# Altium PCB PCB1.PcbDoc
Units mil, origin at the board's own origin, x right, y up, seen from the top; angles counter-clockwise.
Board outline 3661.42 x 3307.09 mil, 2 copper layers (Top Layer, Bottom Layer); 49 components, 51 nets, 252 pads, 211 vias.
Unrouted connection lines stored in the file: 57.
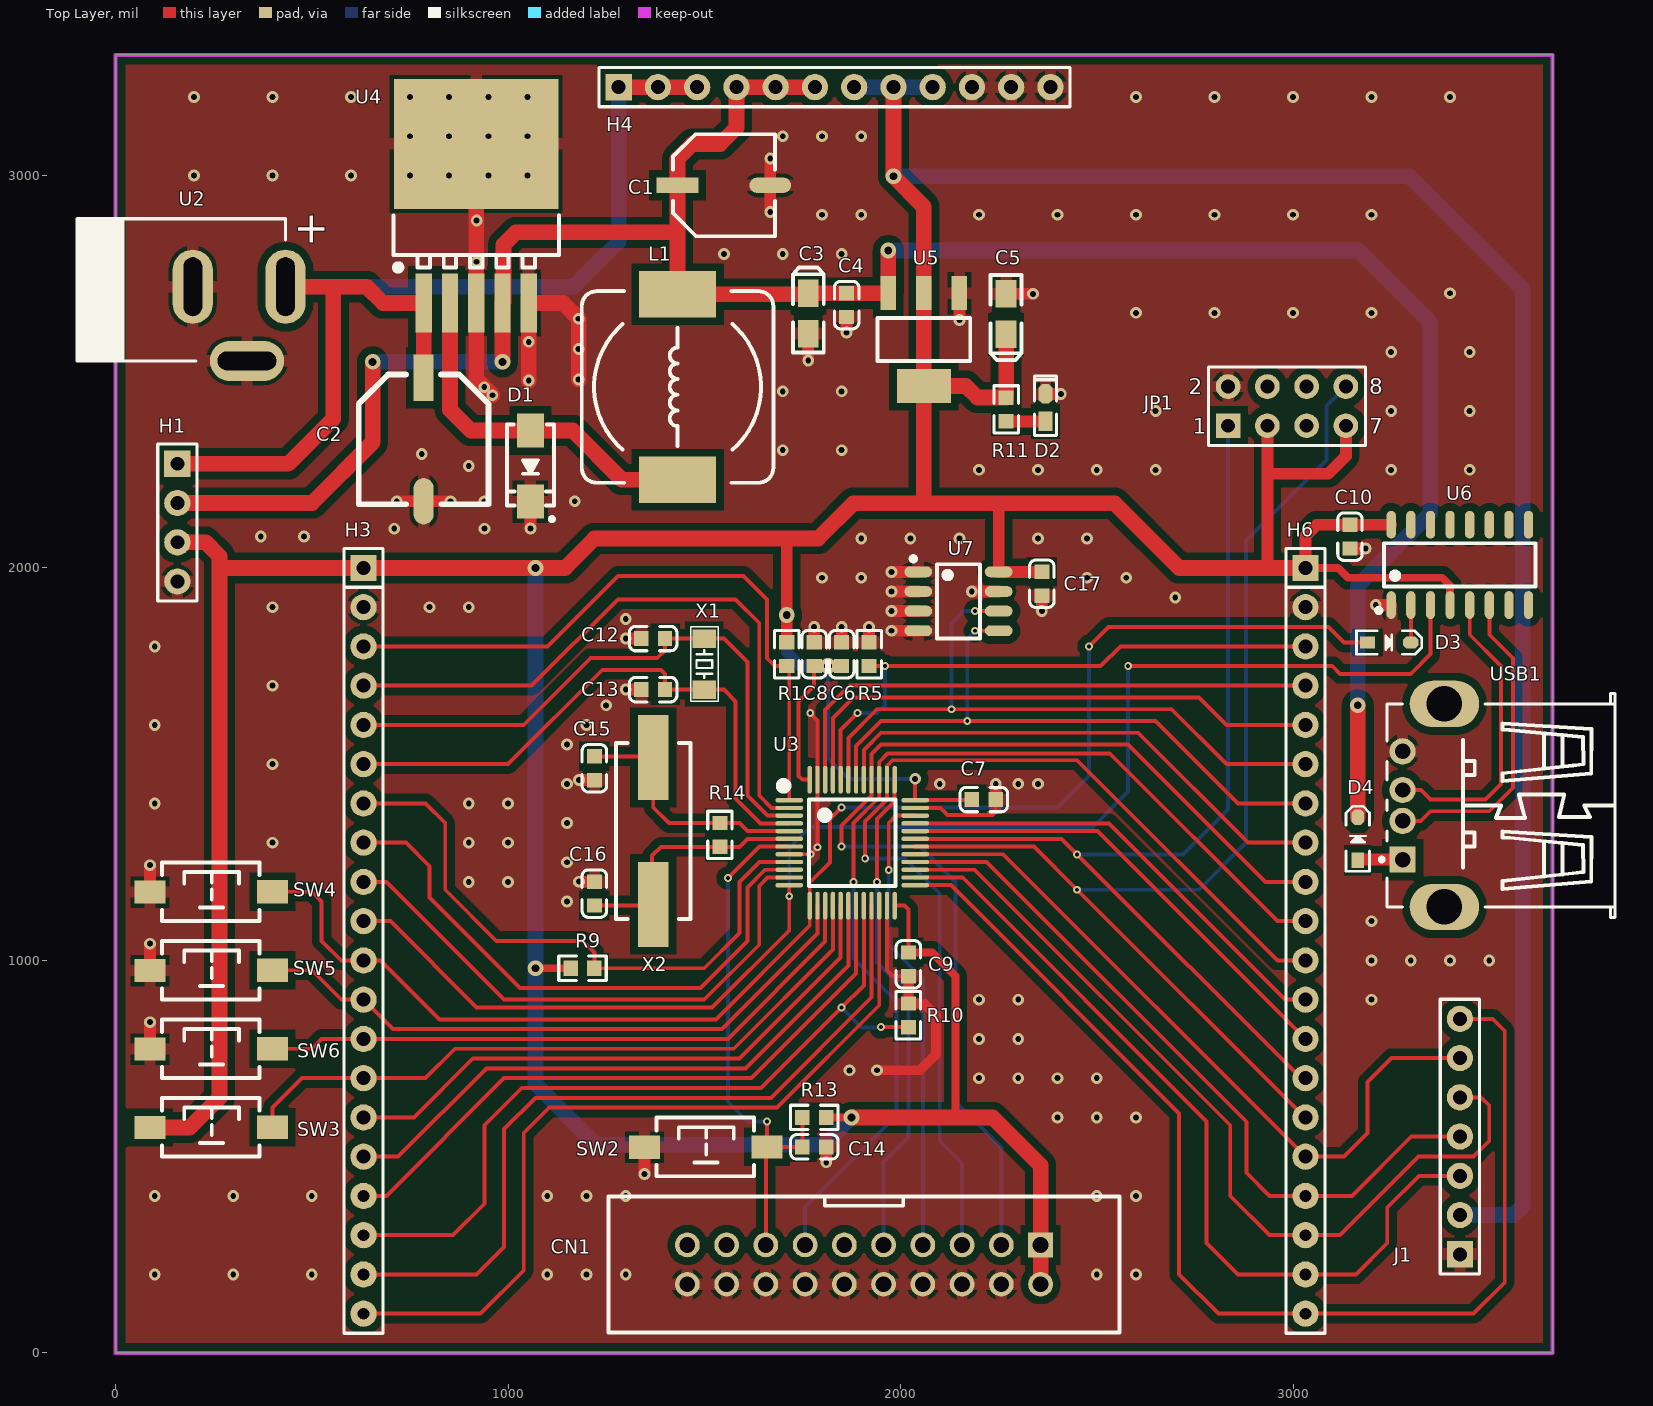
[diagram p0: Top Layer view]
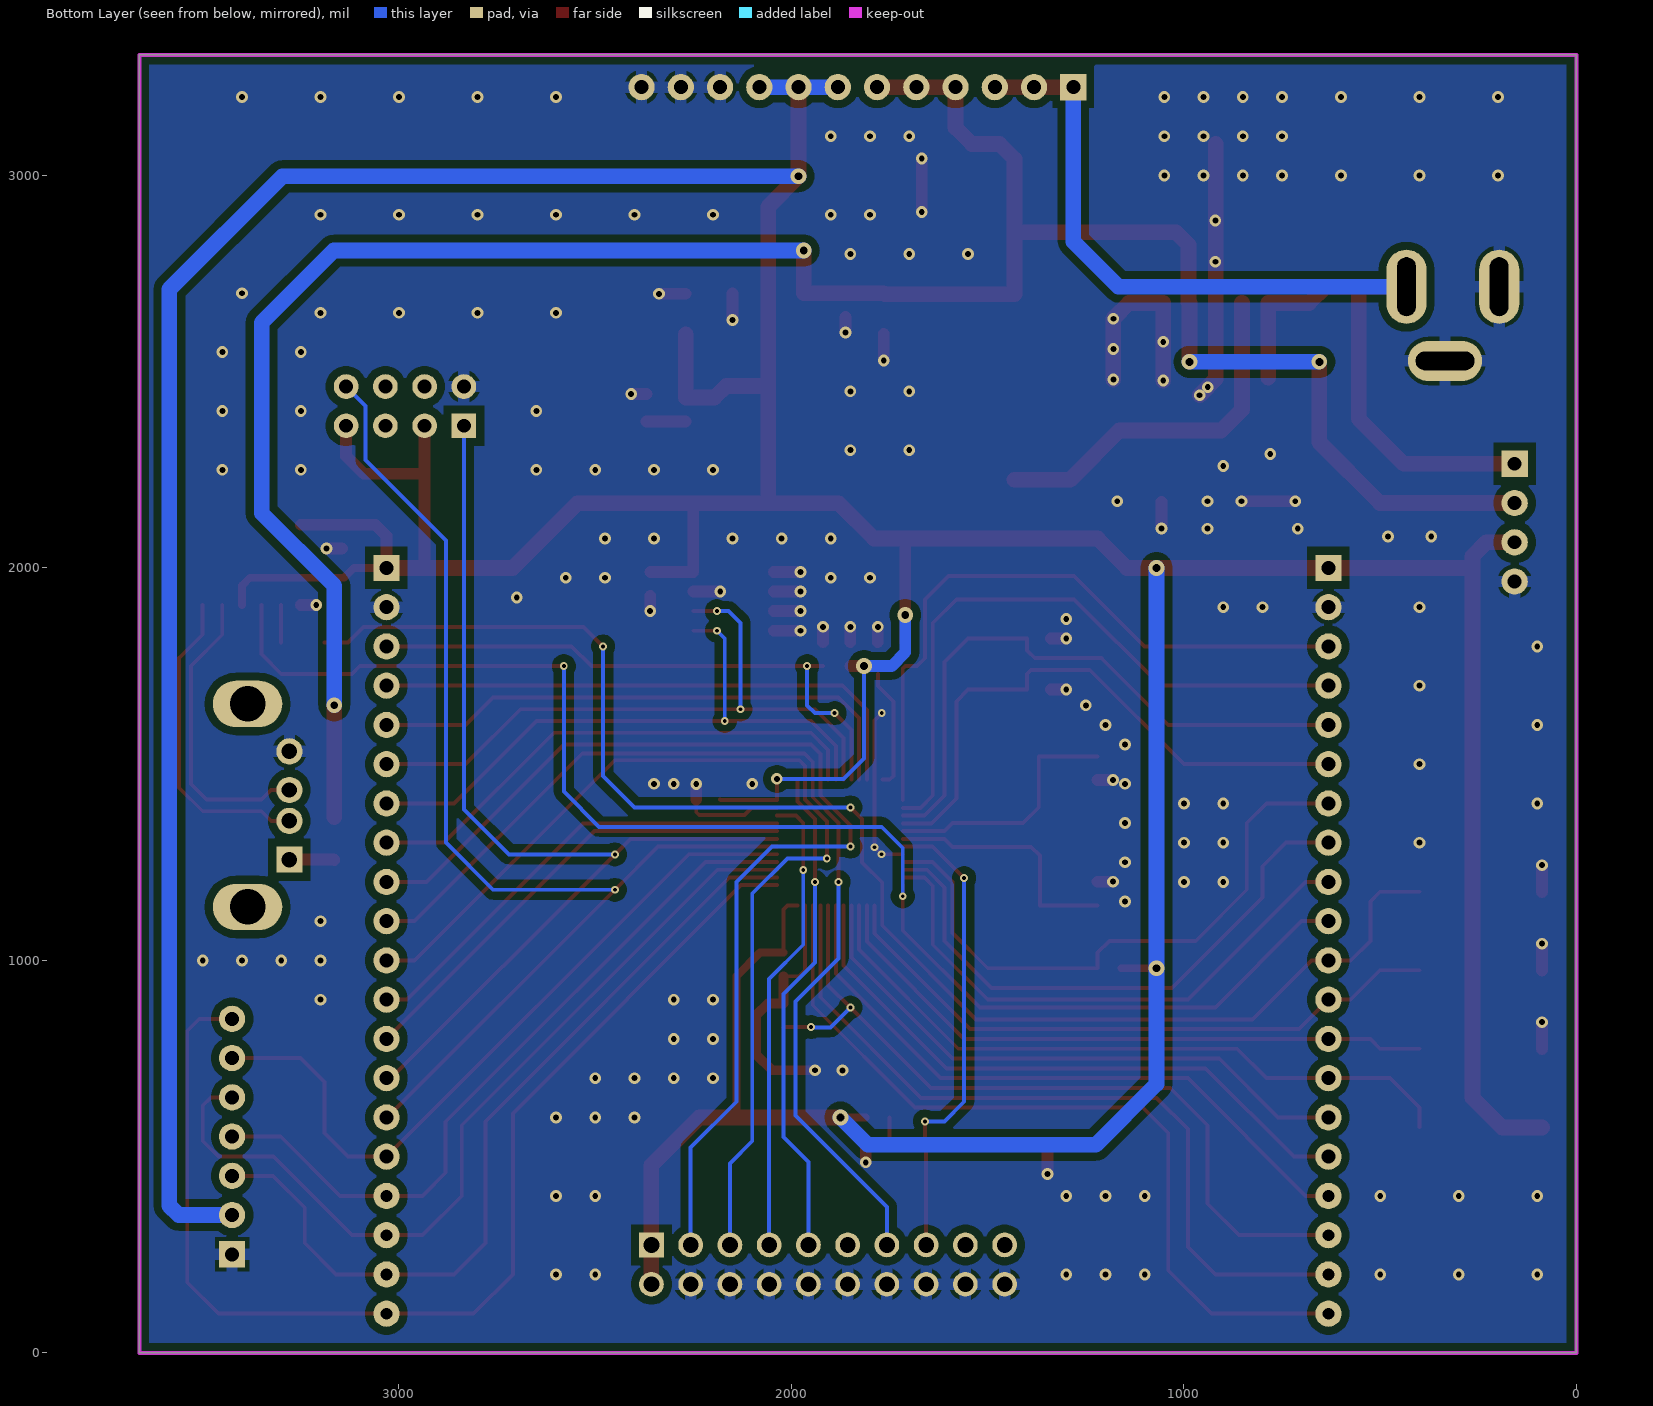
[diagram p1: Bottom Layer view, seen from below]

## Layer stack, top to bottom
Top Solder: solder mask 0.4, Solder Resist, Dk 3.5
Top Layer: signal copper 1.4
Dielectric 1: dielectric 12.6, FR-4, Dk 4.8
Bottom Layer: signal copper 1.4
Bottom Solder: solder mask 0.4, Solder Resist, Dk 3.5

## Board outline
0,0 0,3307.09 3661.42,3307.09 3661.42,0

## Design rules (kind name [scope] priority, off if disabled: settings)
Clearance Clearance_1 [Inpolygon] p1: gap=20 ignorepadtopadclearanceinfootprint=FALSE
Clearance [All] p2: gap=7 ignorepadtopadclearanceinfootprint=FALSE
HoleSize [All] p1: absolutevalues=TRUE maxlimit=1000 minlimit=1 maxpercent=80.000 minpercent=20.000
MinimumSolderMaskSliver [All] p1: minsoldermaskwidth=0
PolygonConnect [All] p1: thpad.connectstyle=Relief thpad.reliefconductorwidth=30 thpad.reliefentries=4 thpad.polygonreliefangle="90 Angle" thpad.airgapwidth=10 smdpad.connectstyle=Relief smdpad.reliefconductorwidth=30 smdpad.reliefentries=4 smdpad.polygonreliefangle="90 Angle" smdpad.airgapwidth=10 via.connectstyle=Direct via.reliefconductorwidth=10 via.reliefentries=4 via.polygonreliefangle="90 Angle" via.airgapwidth=10
RoutingVias [All] p1: holewidth=28 width=50 viastyle="Through Hole" minholewidth=28 minwidth=50 maxholewidth=28 maxwidth=50
SilkToSilkClearance [All] p1: silktosilkclearance=0.1
SilkToSolderMaskClearance [IsPad] p1: minsilkscreentomaskgap=0 clearancetoexposedcopper=TRUE
SolderMaskExpansion [All] p1: expansion=4 istentingtop=FALSE
Width [All] p1: maxlimit=100 minlimit=10 preferedwidth=10 minimp=50.000000 maximp=50.000000 favimp=50.000000
26 further rules are at their usual default settings.

## Components (designator, comment, footprint, x,y, rotation, side; value= is the part's Value field where it differs from the comment)
C1 "NXA25VB1000M 10*20 LO" "CM D8(6.3*7.7)" 1550,2975 r180 top value=1mF
C2 "XT100UF50V90RV0067" "CM F(8*10.2)" 785,2327.52 r90 top value=100uF
C3 "CA45-A-10V-10uF-K" CASE-A_3216 1765,2648.43 r90 top value=10uF
C4 "CAP_0603" 0603_C 1862.6,2669.68 r90 top value=100nF
C5 "CA45-A-10V-10uF-K" CASE-A_3216 2269.09,2646.85 r270 top value=10uF
C6 "CAP_0603" 0603_C 1850,1780.32 r270 top value=100nF
C7 "CAP_0603" 0603_C 2212.2,1410 r180 top value=100nF
C8 "CAP_0603" 0603_C 1780,1780.32 r270 top value=100nF
C9 "CAP_0603" 0603_C 2020,990 r90 top value=100nF
C10 "CAP_0603" 0603_C 3145,2079.68 r270 top value=100nF
C12 "CAP_0603" 0603_C 1369.68,1820 r0 top value=15pF
C13 "CAP_0603" 0603_C 1369.68,1690 r0 top value=15pF
C14 "CAP_0603" 0603_C 1780.32,525 r180 top value=100nF
C15 "CAP_0603" 0603_C 1220,1489.68 r270 top value=22pF
C16 "CAP_0603" 0603_C 1220,1170.32 r90 top value=22pF
C17 "CAP_0603" 0603_C 2360,1959.68 r90 top value=100nF
CN1 "HX30002-20A" DC-2.54-L-Z-20P 1906.89,225 r180 top
D1 "1N5822" SMA(DO-214AC) 1056.89,2259.45 r270 top
D2 "25-21/GHC-YSU/2A" "LED 0603R" 2369.35,2408.42 r90 top
D3 "1N4007" SOD-323 3244.88,1810 r0 top
D4 "1N4007" SOD-323 3165,1310.12 r90 top
H1 "HDR-M_2.54_1x4P" HDR2.54-LI-4P 157.48,2115.35 r270 top
H3 "HDR-M_2.54_1x20P" HDR2.54-LI-20P 631.89,1050 r270 top
H4 "HDR-M_2.54_1x12P" HDR2.54-LI-12P 1831.89,3225 r0 top
H6 "HDR-M_2.54_1x20P" HDR2.54-LI-20P 3031.89,1050 r270 top
J1 "Header 7" HDR2.54-LI-7P 3425.2,551.18 r90 top
JP1 "Header 4X2" HDR2.54-LI-2x4P 2984.65,2412.2 r0 top locked
L1 "CY75-100UH" CDRH127 1431.89,2461.22 r90 top value=100uH
R1 "RK73Z2BTTD" 0603_R 1710,1780.31 r90 top value=0R
R5 "Res_0603" 0603_R 1920,1780.31 r90 top value=10K
R9 "Res_0603" 0603_R 1189.68,980 r0 top value=0R
R10 "Res_0603" 0603_R 2020,860 r270 top value=10K
R11 "Res_0603" 0603_R 2269.09,2403.74 r90 top value=510R
R13 "Res_0603" 0603_R 1780.31,600 r0 top value=10K
R14 "Res_0603" 0603_R 1540,1319.68 r90 top value=1M
SW2 "SW-74-3" "TSW SMD-3*6*2.5" 1505,525 r0 top
SW3 "SW-74-3" "TSW SMD-3*6*2.5" 245,575 r0 top
SW4 "SW-74-3" "TSW SMD-3*6*2.5" 245,1175 r0 top
SW5 "SW-74-3" "TSW SMD-3*6*2.5" 245,975 r0 top
SW6 "SW-74-3" "TSW SMD-3*6*2.5" 245,775 r0 top
U2 "DC-210_DC母座,板上插件3P,2mm,黑壳" DC-005 433.07,2716.54 r0 top
U3 "STM32F103C8T6" "LQFP48 7X7_N" 1876.89,1300 r270 top
U4 "LM2576T-5.0/NOPB" TO-263-5 918.86,2675 r270 top
U5 "AMS1117-3.3_C369933" SOT-223 2059.45,2581.89 r90 top
U6 "CH340G" SOP-16_150mil 3425.2,2007.87 r0 top
U7 "AT24C04M/TR" SOP-8_150mil 2147.64,1915 r270 top
USB1 "USB1" USB-A/S_A 3279.13,1394.88 r0 top
X1 "ABS06-32.768KHZ-T" "OSC 3215-2P" 1500,1754.96 r90 top value=32.768kHz
X2 "X49SS2-8.000-F20JGDT" HC-49SMD 1370,1330 r90 top value=8MHz

## Footprints (in the part's own frame and the unit in brackets; to place one, negate y for a bottom-side part, rotate by r counter-clockwise, add the part's x,y. Pads: shape width x height; smd on the part's side, far side on the other; paste and mask are expansions set on the pad)
0603_C [mm]
  rect 0.93x0.98 smd: 1(-0.77,0) 2(0.77,0)
  silkscreen extent -1.53,-0.79 1.54,0.79, body extent -0.8,-0.4 0.8,0.4, height 0.3
0603_R [mm]
  rect 0.93x0.98 smd: 1(-0.77,0) 2(0.77,0)
  silkscreen extent -1.53,-0.79 1.54,0.79, body extent -0.85,-0.4 0.85,0.4, height 0.56
CASE-A_3216 [mm]
  rect 1.8x1.35 smd: 1(1.31,0) 2(-1.31,0)
  silkscreen extent -2.54,-1 2.97,1, body extent -1.7,-0.84 1.7,0.84, height 1.71
CDRH127 [mm] "12*12*8mm（长宽高）"
  rect 3x5 smd: 1(-6,0) 2(6,0)
  silkscreen extent -6.2,-6.2 6.2,6.2, body extent -6,-6 6,6, height 7.8
"CM D8(6.3*7.7)" [mm] "J 贴片电解电容，直径6.3mm，高7.7mm"
  rect 2.7x1 smd: 1(3,0)
  oval 2.7x1 smd: 2(-3,0)
  silkscreen extent -3.3,-3.3 3.3,3.3, body extent -3.5,-3.3 3.5,3.3, height 7.7
"CM F(8*10.2)" [mm] "J 贴片电解电容，直径8mm，高10.2mm"
  rect 3x1.3 smd: 1(4,0)
  oval 3x1.3 smd: 2(-4,0)
  silkscreen extent -4.2,-4.2 4.2,4.2, body extent -4.5,-4.15 4.5,4.15, height 10.2
DC-2.54-L-Z-20P [mm] "立式直插简牛插座，间距2.54"
  rect 1.6x1.6 hole 1.02: 1(-11.43,-1.27)
  round 1.6 hole 1.02: 2(-11.43,1.27) 3(-8.89,-1.27) 4(-8.89,1.27) 5(-6.35,-1.27) 6(-6.35,1.27) 7(-3.81,-1.27) 8(-3.81,1.27) 9(-1.27,-1.27) 10(-1.27,1.27) 11(1.27,-1.27) 12(1.27,1.27) 13(3.81,-1.27) 14(3.81,1.27) 15(6.35,-1.27) 16(6.35,1.27) 17(8.89,-1.27) 18(8.89,1.27) 19(11.43,-1.27) 20(11.43,1.27)
  silkscreen extent -16.53,-4.4 16.53,4.4, body extent -16.53,-4.4 16.52,4.7, height 8.8
DC-005 [mm] "J DC-005电源插座 封装规格:14.2X8.8mm"
  oval 2.6x4.8 hole 1.2 slot 3.8 at 90 deg: 1(0,0) 2(-6,0)
  oval 4.8x2.6 hole 1.2 slot 3.8 at 0 deg: 3(-2.5,-4.8)
  silkscreen extent -13.5,-4.8 0,4.4, body extent -13.5,-4.8 0.55,4.5, height 11.2
HC-49SMD [mm] "J JLC"
  rect 5.5x2 smd: 1(-4.75,0) 2(4.75,0)
  silkscreen extent -5.7,-2.4 5.7,2.4, body extent -6.7,-2.46 6.7,2.44, height 4
HDR2.54-LI-2x4P [mm] "双排排针，4x2脚"
  rect 1.6x1.6 hole 0.9: 1(-3.81,-1.27)
  round 1.6 hole 0.9: 2(-3.81,1.27) 3(-1.27,-1.27) 4(-1.27,1.27) 5(1.27,-1.27) 6(1.27,1.27) 7(3.81,-1.27) 8(3.81,1.27)
  silkscreen extent -5.08,-2.54 5.08,2.54, body extent -5.08,-2.54 5.08,2.54, height 8.5
HDR2.54-LI-4P [mm] "排针，4脚"
  rect 1.7x1.7 hole 0.9: 1(-3.81,0)
  round 1.7 hole 0.9: 2(-1.27,0) 3(1.27,0) 4(3.81,0)
  silkscreen extent -5.08,-1.27 5.08,1.27, body extent -5.08,-1.27 5.08,1.27, height 8.5
HDR2.54-LI-7P [mm] "排针，8脚"
  rect 1.7x1.7 hole 0.9: 1(-7.62,0)
  round 1.7 hole 0.9: 2(-5.08,0) 3(-2.54,0) 4(0,0) 5(2.54,0) 6(5.08,0) 7(7.62,0)
  silkscreen extent -8.89,-1.27 8.89,1.27, body extent -8.89,-1.27 8.89,1.27, height 8.5
HDR2.54-LI-12P [mm] "排针，13脚"
  rect 1.7x1.7 hole 0.9: 1(-13.97,0)
  round 1.7 hole 0.9: 2(-11.43,0) 3(-8.89,0) 4(-6.35,0) 5(-3.81,0) 6(-1.27,0) 7(1.27,0) 8(3.81,0) 9(6.35,0) 10(8.89,0) 11(11.43,0) 12(13.97,0)
  silkscreen extent -15.24,-1.27 15.24,1.27, body extent -15.24,-1.27 15.24,1.27, height 8.5
HDR2.54-LI-20P [mm] "排针，20脚"
  rect 1.7x1.7 hole 0.9: 1(-24.13,0)
  round 1.7 hole 0.9: 2(-21.59,0) 3(-19.05,0) 4(-16.51,0) 5(-13.97,0) 6(-11.43,0) 7(-8.89,0) 8(-6.35,0) 9(-3.81,0) 10(-1.27,0) 11(1.27,0) 12(3.81,0) 13(6.35,0) 14(8.89,0) 15(11.43,0) 16(13.97,0)
  round 1.7 hole 0.762: 17(16.51,0) 18(19.05,0) 19(21.59,0) 20(24.13,0)
  silkscreen extent -25.4,-1.27 25.4,1.27, body extent -25.4,-1.27 25.4,1.27, height 8.5
"LED 0603R" [mil] "红色0603LED"
  rect 50x35 smd: 1(-35,0.26)
  oct 50x35 smd: 2(35,0.26)
  silkscreen extent -71,-28 81,28, body extent -31,-16 31,16, height 18
"LQFP48 7X7_N" [mm] "48脚，体宽7x7mm，脚距0.5mm"
  oval 0.279x1.8 smd: 1(-2.75,-4.075) 2(-2.25,-4.075) 3(-1.75,-4.075) 4(-1.25,-4.075) 5(-0.75,-4.075) 6(-0.25,-4.075) 7(0.25,-4.075) 8(0.75,-4.075) 9(1.25,-4.075) 10(1.75,-4.075) 11(2.25,-4.075) 12(2.75,-4.075) 25(2.75,4.075) 26(2.25,4.075) 27(1.75,4.075) 28(1.25,4.075) 29(0.75,4.075) 30(0.25,4.075) 31(-0.25,4.075) 32(-0.75,4.075) 33(-1.25,4.075) 34(-1.75,4.075) 35(-2.25,4.075) 36(-2.75,4.075)
  oval 1.8x0.279 smd: 13(4.075,-2.75) 14(4.075,-2.25) 15(4.075,-1.75) 16(4.075,-1.25) 17(4.075,-0.75) 18(4.075,-0.25) 19(4.075,0.25) 20(4.075,0.75) 21(4.075,1.25) 22(4.075,1.75) 23(4.075,2.25) 24(4.075,2.75) 37(-4.075,2.75) 38(-4.075,2.25) 39(-4.075,1.75) 40(-4.075,1.25) 41(-4.075,0.75) 42(-4.075,0.25) 43(-4.075,-0.25) 44(-4.075,-0.75) 45(-4.075,-1.25) 46(-4.075,-1.75) 47(-4.075,-2.25) 48(-4.075,-2.75)
  silkscreen extent -3.93,-4.69 2.79,2.79, body extent -4.5,-4.5 4.5,4.5, height 1.45
"OSC 3215-2P" [mm] "3.2*1.5*0.6mm(长宽高)"
  rect 1.2x1.5 smd: 1(-1.65,0) 2(1.65,0)
  silkscreen extent -2.41,-0.89 2.41,0.89, body extent -1.6,-0.75 1.6,0.75, height 0.61
SMA(DO-214AC) [mm] "4.5x2.6*2.2mm（长宽高，不包括引脚）"
  rect 2.2x1.75 smd: 1(-2.3,0) 2(2.3,0)
  silkscreen extent -2.7,-1.52 3.56,1.52, body extent -2.53,-1.3 2.58,1.3, height 2.15
SOD-323 [mm] "1.8x1.3X0.9mm（长宽高，不包括引脚）"
  rect 1x0.8 smd: 1(-1.4,0)
  oct 1x0.8 smd: 2(1.4,0)
  silkscreen extent -2.11,-0.76 2.11,0.76, body extent -1.34,-0.63 1.31,0.67, height 1
SOP-8_150mil [mm]
  oval 0.7x1.8 smd: 1(-1.905,-2.6) 2(-0.635,-2.6) 3(0.635,-2.6) 4(1.905,-2.6) 5(1.905,2.6) 6(0.635,2.6) 7(-0.635,2.6) 8(-1.905,2.6)
  silkscreen extent -2.9,-3.07 2.4,1.4, body extent -2.5,-3 2.5,3, height 1.9
SOP-16_150mil [mm]
  oval 0.6x1.8 smd: 1(-4.445,-2.6) 2(-3.175,-2.6) 3(-1.905,-2.6) 4(-0.635,-2.6) 5(0.635,-2.6) 6(1.905,-2.6) 7(3.175,-2.6) 8(4.445,-2.6) 9(4.445,2.6) 10(3.175,2.6) 11(1.905,2.6) 12(0.635,2.6) 13(-0.635,2.6) 14(-1.905,2.6) 15(-3.175,2.6) 16(-4.445,2.6)
  silkscreen extent -5.4,-3.1 4.9,1.4, body extent -5,-3 5,3, height 1.9
SOT-223 [mm]
  rect 2.2x1 smd: 1(3,-2.3) 2(3,0) 3(3,2.3)
  rect 2.2x3.5 smd: 4(-3,0)
  silkscreen extent -1.4,-3 1.4,3, body extent -3.51,-3.25 3.51,3.25, height 1.65
TO-263-5 [mm]
  rect 3.8x1.05 smd: 1(0,-3.4) 2(0,-1.7) 3(0,0) 4(0,1.7) 5(0,3.4)
  rect 8.4x10.65 smd: 3(-10.3,0)
  silkscreen extent -5.65,-5.35 -2.1,5.35
"TSW SMD-3*6*2.5" [mm] "3*6*2.5mm"
  rect 2x1.5 smd: 1(-3.996,-0.02) 2(3.937,0)
  silkscreen extent -3.21,-1.9 3.09,1.9, body extent -4,-1.75 4,1.75, height 2.59
USB-A/S_A [mm] "J  A型直插母头 Type-A 母座"
  rect 1.7x1.7 hole 1: 1(0,-3.5)
  round 1.7 hole 1: 2(0,-1) 3(0,1) 4(0,3.5)
  oval 4.5x3 hole 2.3: 5(2.71,-6.57) 6(2.71,6.57)
  silkscreen extent -1.47,-7.25 13.75,7.25, body extent -0.6,-7.34 13.7,7.34, height 6.8

## Part data
C1: "容值:1mF;精度:±20%;额定电压:25V;电容体直径:10mm;电容体长度:20mm;脚间距:5mm;工作寿命:7000hrs@105;", JLCPCB Part Class=扩展库, LCSC Part Name="1mF ±20% 25V", Lifetime @ Temp=7000hrs@105, Manufacturer=SAMYOUNG(韩国三莹), Rated Voltage=25V, Tolerance=±20%, Add into BOM=yes, Convert to PCB=yes, Datasheet=https://atta.szlcsc.com/upload/public/pdf/source/20180207/C150381_15179948733761359072.pdf, Device="NXA25VB1000M 10*20 LO", L=20mm, Lead Spacing=5mm, Manufacturer Part="NXA25VB1000M 10*20 LO", Name=1mF, Supplier=LCSC, Supplier Footprint=径向引线,10x20mm, Supplier Part=C150381, Symbol=NXA25V1000UF10*20, φD=10mm
C2: "容值:100uF;额定电压:50V;电容体直径:-;电容体长度:-;纹波电流:-;等效串联电阻:-;工作寿命:-;", Equivalent Series Resistance(ESR)=-, JLCPCB Part Class=扩展库, LCSC Part Name="100uF 50V", Manufacturer=KNSCHA(科尼盛), Rated Voltage=50V, Add into BOM=yes, Convert to PCB=yes, Datasheet=https://atta.szlcsc.com/upload/public/pdf/source/20220628/DB8CB200A5425945B2B1ADF515822AD1.pdf, Device=XT100UF50V90RV0067, L=-, Lifetime @ Temp=-, Manufacturer Part=XT100UF50V90RV0067, Name=100uF, Ripple Current=-, Supplier=LCSC, Supplier Footprint=SMD,8x10.5mm, Supplier Part=C2992599, Symbol=XT100UF50V90RV0067, φD=-
C3 C5: "额定电压:10V;等效串联电阻:8Ω 100kHz;工作温度:-55~+125;容值:10uF;精度:±10%;", Equivalent Series Resistance(ESR)="8Ω 100kHz", JLCPCB Part Class=扩展库, LCSC Part Name="10uF(106) ±10% 10V", Manufacturer=CEC(振华新云), Operating Temperature=-55~+125, Rated Voltage=10V, Tolerance=±10%, Add into BOM=yes, Convert to PCB=yes, Datasheet=https://atta.szlcsc.com/upload/public/pdf/source/20170914/C128253_1505359751786967904.pdf, Device=CA45-A-10V-10uF-K, Manufacturer Part=CA45-A-10V-10uF-K, Name=10uF, Supplier=LCSC, Supplier Footprint=CASE-A_3216, Supplier Part=C128253, Symbol=CA45-A-10V-10UF-K
CN1: "参考系列:-;间距:3mm;插针结构:2x10P;排数:2;每排PIN数:10;行距:3mm;安装方式:-;触头材质:黄铜;", JLCPCB Part Class=扩展库, LCSC Part Name=小5569-20A, Manufacturer=HX(红星), Add into BOM=yes, Contact Material=黄铜, Convert to PCB=yes, Datasheet=https://atta.szlcsc.com/upload/public/pdf/source/20180316/2650DEF6C4F462ECBA0CD08C5E43C847.pdf, Device=HX30002-20A, Manufacturer Part=HX30002-20A, Mounting Style=-, Name=HX30002-20A, NO_CONNECT=yes, NUMBER=20, Number of PINs Per Row=10, Number of Rows=2, Pins Structure=2x10P, Pitch=3mm, Reference Series=-, Row Spacing=3mm, Supplier=LCSC, Supplier Footprint=插件,P=3mm, Supplier Part=C185097, Symbol=30002-20A-T1P
D1: "直流反向耐压(Vr):40V;平均整流电流(Io):3A;正向压降(Vf):525mV@3A;", Average Rectified Current (Io)=3A, Forward Voltage (Vf@If)=525mV@3A, JLCPCB Part Class=扩展库, LCSC Part Name="40V 3A 525mV@3A", Manufacturer=星海, Reverse Voltage (Vr)=40V, Add into BOM=yes, Convert to PCB=yes, Datasheet=https://atta.szlcsc.com/upload/public/pdf/source/20161024/1477288663229.pdf, Device=1N5822, Manufacturer Part=1N5822, Name=1N5822, Supplier=LCSC, Supplier Footprint=DO-201AD, Supplier Part=C84619, Symbol=1N5822_C84619
D2: JLCPCB Part Class=扩展库, LCSC Part Name=LED, Manufacturer=EVERLIGHT(亿光), Add into BOM=yes, Convert to PCB=yes, Datasheet=https://atta.szlcsc.com/upload/public/pdf/source/20220713/F252FF7039D6458B569E79FE2BD3F03F.pdf, Device=25-21/GHC-YSU/2A, Manufacturer Part=25-21/GHC-YSU/2A, Name=LED0, Supplier=LCSC, Supplier Footprint=SMD-2,1.6x3.2mm, Supplier Part=C4749157, Symbol=25-21/GHC-YSU/2A
D3 D4: "二极管配置:-;直流反向耐压(Vr):1kV;平均整流电流(Io):1A;正向压降(Vf):1.1V@1A;反向电流(Ir):5A@1kV;", JLCPCB Part Class="Extended Part", Add into BOM=yes, Convert to PCB=yes, Device=1N4007, Supplier Footprint=DO-41, Supplier Part=C106903, Symbol=D_1N4007
H3 H6: "间距:2.54mm;总PIN位数:20;排数:1;插针结构:-;行距:-;安装类型:直插;圆针/方针:-;额定电流:-;额定电压:-;配合针长度:-;塑高:-;触头材质:黄铜;触头镀层:-;颜色:黑色;", Add into BOM=yes, Convert to PCB=yes, Device=HDR-M_2.54_1x20P, Supplier Footprint=插件, Supplier Part=C50981, Symbol=HDR_2.54-1x20P
  H6: NUMBER=3
H4: "间距:2.54mm;总PIN位数:12;排数:1;插针结构:1x12P;行距:-;安装类型:直插;圆针/方针:方针;额定电流:3A;额定电压:250V;配合针长度:6mm;塑高:2.5mm;端接针长度:3mm;触头材质:-;工作温度范围:-40~+105;颜色:黑色;", Add into BOM=yes, Convert to PCB=yes, Device=HDR-M_2.54_1x12P, Supplier Footprint=插件, Supplier Part=C2840012, Symbol=HDR_2.54-1x12P
J1: "J  Header, 7-Pin", LatestRevisionDate=17-Jul-2002, LatestRevisionNote="Re-released for DXP Platform.", Publisher="Altium Limited"
JP1: "J  Header, 4-Pin, Dual row", LatestRevisionDate=17-Jul-2002, LatestRevisionNote="Re-released for DXP Platform.", Publisher="Altium Limited"
L1: "电感值:100uH;精度:±10%;额定电流:730mA;饱和电流(Isat):-;直流电阻(DCR):325mΩ;", DC Resistance (DCR)=325mΩ, Frequency - Self Resonant=-, JLCPCB Part Class=扩展库, LCSC Part Name="100uH ±10% 730mA 325mΩ", Manufacturer="SHOU HAN(首韩)", Rated Current=730mA, Tolerance=±10%, Add into BOM=yes, Convert to PCB=yes, Datasheet=https://atta.szlcsc.com/upload/public/pdf/source/20211213/9462A2F321BE8943DF3982CE0F9F6E2B.pdf, Device=CY75-100UH, Manufacturer Part=CY75-100UH, Name=100uH, Q @ Freq=-, Ratings=-, Saturation Current (Isat)=-, Supplier=LCSC, Supplier Footprint=SMD,7.8x7x5mm, Supplier Part=C2929443, Symbol=CY75-100UH
R1: "阻值:0Ω;精度:-;功率:-;工作温度范围:-55~+155;", JLCPCB Part Class=扩展库, LCSC Part Name="0Ω 0", Manufacturer=KOA, Operating Temperature Range=-55~+155, Power(Watts)=-, Add into BOM=yes, Convert to PCB=yes, Datasheet=https://atta.szlcsc.com/upload/public/pdf/source/20170918/C131706_1505727048923976489.pdf, Device=RK73Z2BTTD, Manufacturer Part=RK73Z2BTTD, Name=0R, Supplier=LCSC, Supplier Footprint=1206, Supplier Part=C131706, Symbol=RK73Z2BTTD, Tolerance=-
SW2 SW3 SW4 SW5 SW6: "类型:检测开关;额定电流(DC):1mA;额定电压(DC):5V;额定电流(AC):1mA;额定电压(AC):100V;机械寿命:20000;按钮形状:圆形柱塞;引脚样式:PC引脚;开关长度:7mm;开关宽度:4.4mm;开关高度:7.2mm;", Contact Current (AC)=1mA, JLCPCB Part Class=扩展库, Manufacturer=Shinmei(日本神明), Voltage Rating (AC)=100V, Voltage Rating (DC)=5V, Actuator Style=圆形柱塞, Add into BOM=yes, Contact Current (DC)=1mA, Convert to PCB=yes, Datasheet=https://atta.szlcsc.com/upload/public/pdf/source/20190506/C388893_3452A3DB9C6C6AE4480AE332CD6BDAAB.pdf, Device=SW-74-3, LCSC Part Name=SW-74-3, Manufacturer Part=SW-74-3, Mechanical Life=20000, Name=SW-74-3, Pin Style=PC引脚, Supplier=LCSC, Supplier Footprint=插件, Supplier Part=C388893, Switch Height=7.2mm, Switch Length=7mm, Switch Width=4.4mm, Symbol=SW-74-3, Type=检测开关
U2: JLCPCB Part Class=扩展库, Add into BOM=yes, Convert to PCB=yes, Datasheet=https://atta.szlcsc.comnull, Device=DC-210_DC母座,板上插件3P,2mm,黑壳, LCSC Part Name=DC-210_DC母座,板上插件3P,2mm,黑壳, Manufacturer Part=DC-210_DC母座,板上插件3P,2mm,黑壳, Name=DC-210_DC母座,板上插件3P,2mm,黑壳, Supplier=LCSC, Supplier Footprint=DC-210_2.0mm, Supplier Part=C9900012165, Symbol=DC-210_DC母座,板上插件3P,2MM,黑壳
U3: "CPU内核:ARM Cortex-M3;CPU最大主频:72MHz;工作电压范围:2V~3.6V;内部振荡器:有;程序 FLASH容量:64K@x8bit;RAM总容量:20KB;EEPROM/数据 FLASH容量:-;GPIO端口数量:37;ADC(单元数/通道数/位数):1@x10ch/12bit;外设/功能/协议栈:温度传感器；DMA；看门狗；POR；PWM;工作温度范围:-40~+85;", JLCPCB Part Class=基础库, LCSC Part Name="ARM Cortex-M3 72MHz 64K@x8bit 20KB MSL=3", Manufacturer=ST(意法半导体), Maximum Frequency=72MHz, Operating Temperature Range=-40~+85, Supply Voltage Range=2V~3.6V, ADC (Units/Channels/bits)=1@x10ch/12bit, Add into BOM=yes, Convert to PCB=yes, CPU Core="ARM Cortex-M3", Datasheet=https://atta.szlcsc.com/upload/public/pdf/source/20140724/1457707174202.pdf, Device=STM32F103C8T6, EEPROM/Data FLASH Size=-, GPIO Ports Number=37, Internal Oscillator=有, Manufacturer Part=STM32F103C8T6, Name=STM32F103C8T6, Peripherals / Functions / Protocol Stacks=温度传感器；DMA；看门狗；POR；PWM, Program FLASH Size=64K@x8bit, RAM Size=20KB, Supplier=LCSC, Supplier Footprint=LQFP-48_7x7x05P, Supplier Part=C8734, Symbol=STM32F103C8T6
U4: "功能类型:降压型;同步整流:-;输出通道数:-;拓扑结构:-;输入电压:-;输出电流(最大值):-;开关频率:-;", Input Voltage=-, LCSC Part Name=降压型, Manufacturer=TI(德州仪器), Add into BOM=yes, Convert to PCB=yes, Datasheet=https://atta.szlcsc.com/upload/public/pdf/source/20130814/1457706636795.pdf, Device=LM2576T-5.0/NOPB, Function=降压型, Manufacturer Part=LM2576T-5.0/NOPB, Name=LM2576T-5.0, Number of Outputs=-, Output Current (Max)=-, Supplier=LCSC, Supplier Footprint=TO-220-5, Supplier Part=C16254, Switching Frequency=-, Symbol=LM2576T-5.0_C16254, Synchronous Rectification=-, Topology=-
U5: "输出类型:固定;输出极性:正;输出通道数:1;最大输入电压:18V;输出电压:3.3V;压差:1.3V@800mA;静态电流(地电流):8mA;输出电流:1A;电源纹波抑制比(PSRR):-;噪声:-;特性:-;工作温度:-;", Dropout Voltage=1.3V@800mA, JLCPCB Part Class=扩展库, LCSC Part Name="Vin=18V Vout=3.3V 1A", Manufacturer=KEXIN(科信), Manufacturer Part=AMS1117-3.3, Maximum Input Voltage=18V, Operating Temperature=-, Output Current=1A, Output Voltage=3.3V, Quiescent Current (Ground Current)=8mA, Add into BOM=yes, Convert to PCB=yes, Datasheet=https://atta.szlcsc.com/upload/public/pdf/source/20190724/C369933_94137CB0CFA8D6ABD8E5DA714A2C2C4B.pdf, Device=AMS1117-3.3_C369933, Feature=-, Name=AMS1117-3.3, NO_CONNECT=yes, Noise=-, Number of Outputs=1, Output Polarity=正, Output Type=固定, Power Supply Rejection Ratio (PSRR)=-, Supplier=LCSC, Supplier Footprint=SOT-223, Supplier Part=C369933, Symbol=AMS1117-3.3_C369933
U6: "类型:Transceiver;协议类别:USB 2.0;驱动器/接收器数:-;数据速率:2Mbps;", JLCPCB Part Class=扩展库, Manufacturer=WCH(南京沁恒), Supply Voltage="3.3V, 5V", Add into BOM=yes, Convert to PCB=yes, Data Rate=2Mbps, Datasheet=https://atta.szlcsc.com/upload/public/pdf/source/20200819/C14267_9F0B4B8160AEBA86F3219E64956E4601.pdf, Device=CH340G, LCSC Part Name=CH340G, Manufacturer Part=CH340G, Name=CH340G, NO_CONNECT=yes, Number of Drivers/Receivers=-, Protocol="USB 2.0", Supplier=LCSC, Supplier Footprint=SOP-16_150mil, Supplier Part=C14267, Symbol=CH340G, Type=Transceiver
U7: "存储器类型:-;存储器容量:-;存储器接口类型:-;工作电压:-;", JLCPCB Part Class=扩展库, LCSC Part Name=EEPROM存储器, Manufacturer=HGSEMI(华冠), Voltage - Supply=-, Add into BOM=yes, Convert to PCB=yes, Datasheet=https://atta.szlcsc.com/upload/public/pdf/source/20210719/C565361_F396BA4F8936B5234E7942D8C3C128A6.pdf, Device=AT24C04M/TR, Manufacturer Part=AT24C04M/TR, Memory Format=-, Memory Interface=-, Memory Size=-, Memory Type=-, Name=AT24C04M/TR, Supplier=LCSC, Supplier Footprint=SOP-8, Supplier Part=C2688456, Symbol=AT24C04M/TR
USB1: "J  USB接口"
X1: "晶振类型:-;频率:32.768kHz;频率公差:±20ppm;频率稳定度:-;负载电容:12.5pF;等效串联电阻(ESR):90kΩ;工作温度:-40~+85;", Equivalent Series Resistance (ESR)=90kΩ, Frequency Stability=-, Frequency Tolerance=±20ppm, JLCPCB Part Class=扩展库, LCSC Part Name="32.768kHz ±20ppm 12.5pF", Load Capacitance=12.5pF, Manufacturer=ABRACON, Operating Temperature=-40~+85, Add into BOM=yes, Convert to PCB=yes, Crystal Type=-, Datasheet=https://atta.szlcsc.com/upload/public/pdf/source/20180906/C276423_617CC087DECB982B4D7E659BEEA3B1E4.pdf, Device=ABS06-32.768KHZ-T, Manufacturer Part=ABS06-32.768KHZ-T, Name=32.768kHz, Supplier=LCSC, Supplier Footprint=SMD2012-2P, Supplier Part=C276423, Symbol=ABS06-32.768KHZ-T
X2: "晶振类型:49SMD;频率:8MHz;频率公差:±30ppm;频率稳定度:±50ppm;负载电容:20pF;等效串联电阻(ESR):-;工作温度:-40~+85;", Equivalent Series Resistance (ESR)=-, Frequency Stability=±50ppm, Frequency Tolerance=±30ppm, LCSC Part Name="8MHz ±30ppm 20pF", Load Capacitance=20pF, Manufacturer=HCI(杭晶), Operating Temperature=-40~+85, Add into BOM=yes, Convert to PCB=yes, Crystal Type=49SMD, Datasheet=https://atta.szlcsc.com/upload/public/pdf/source/20220525/41AB7615A6CBF59B0A628FE584B63957.pdf, Device=X49SS2-8.000-F20JGDT, Manufacturer Part=X49SS2-8.000-F20JGDT, Name=8MHz, Supplier=LCSC, Supplier Footprint=HC-49SMD, Supplier Part=C2842263, Symbol=X49SS2-8.000-F20JGDT
C4 C6 C7 C8 C9 C10 C14 C17: Add into BOM=yes, Convert to PCB=yes, Device=CAP_0603, Name=100nF, Supplier Footprint=0603, Symbol=C1210X7R475K630NT
C12 C13: Add into BOM=yes, Convert to PCB=yes, Device=CAP_0603, Name=15pF, Supplier Footprint=0603, Symbol=C1210X7R475K630NT
C15 C16: Add into BOM=yes, Convert to PCB=yes, Device=CAP_0603, Name=22pF, Supplier Footprint=0603, Symbol=C1210X7R475K630NT
H1: Add into BOM=yes, Convert to PCB=yes, Device=HDR-M_2.54_1x4P, Supplier Footprint=插件, Supplier Part=C492403, Symbol=PZ254V-11-04P
R5 R10 R13: Add into BOM=yes, Convert to PCB=yes, Device=Res_0603, Name=10K, Supplier Footprint=0603, Symbol=电阻
R9: Add into BOM=yes, Convert to PCB=yes, Device=Res_0603, Name=0R, Supplier Footprint=0603, Symbol=电阻
R11: Add into BOM=yes, Convert to PCB=yes, Device=Res_0603, Name=510R, Supplier Footprint=0603, Symbol=电阻
R14: Add into BOM=yes, Convert to PCB=yes, Device=Res_0603, Name=1M, Supplier Footprint=0603, Symbol=电阻

## Via types
v1: diameter 30, hole 15, Top Layer to Bottom Layer, tented both sides, 177 vias
v2: diameter 20, hole 10, Top Layer to Bottom Layer, tented both sides, 24 vias
v3: diameter 40, hole 20, Top Layer to Bottom Layer, tented both sides, 10 vias

## Nets (pads, with @x,y where several pads share a name; then routed paths per layer and width w, separated by ;. In a path a pad name is that pad's centre, name@x,y a point inside that pad or via, vN(x,y) a via of type N, cw(c..) or ccw(c..) an arc to the next point about the centre after c; other vN are vias at no path point)
3V3: C5.1 C6.2 C7.2 C8.2 C9.2 C10.1 C17.2 CN1.1 CN1.2 H1.3 H3.1 H4.7 H4.8 H4.9 H6.1 J1.2 JP1.3 JP1.7 R1.2 R9.1 R11.2 R13.2 SW3.1 U3.24 U3.36 U3.48 U5.2 U5.4 U6.4 U6.16 U7.8 | length 17600.8
  Top Layer w10: U3.48 1749.55,1460.45 1740,1470 1740,1659.68 1780,1699.68 1780,1729.37 ; U3.24 2010.45,1139.55 2020,1130 C9.2 C9.2@2020,1020 ; v1(2037.34,1462.66) U3.36 2180.16,1408.27 C7.2
  Top Layer w20: v3(1070,980) R9.1 ; R13.2 v3(1875,600) ; C9.2@2020,1020 2080,1020 2140,960 2140,600 ; H6.1 3115,2000 3140,1975 3380.2,1975 3400.2,1955 U6.4
  Top Layer w30: R1.2 v3(1710,1880) 1710,2075 ; C8.2 v3(1815,1750) C6.2 ; 2250,2165 U7.8 C17.2 ; JP1.3 2934.65,2240 ; 2935,2000 2934.65,2000.35 2934.65,2240 ; H6.1 3031.89,2081.89 3060,2110 C10.1 3145.12,2110.12 3250.08,2110.12 U6.16 ; JP1.7 3134.65,2284.65 3090,2240 2934.65,2240
  Top Layer w40: SW3.1 189.21,574.21 265,650 265,2000 ; H1.3 229.65,2065.35 265,2030 265,2000 ; v3(1875,600) 2140,600 2235,600 2356.89,478.11 CN1.1 CN1.2 ; H4.8 v3(1981.89,2998.11) 2059.45,2920.55 U5.2 U5.4 ; C5.1 R11.2 2195.94,2434.06 2166.22,2463.78 U5.4 ; H6.1 2935,2000 2710,2000 2545,2165 2250,2165 2059.45,2165 ; 265,2000 H3.1 v3(1070,2000) 1145,2000 1220,2075 1710,2075 1790,2075 1880,2165 2059.45,2165 ; 2059.45,2165 U5.4
  Bottom Layer w10: v3(1815,1750) 1815,1515 1867.34,1462.66 v1(2037.34,1462.66)
  Bottom Layer w30: v3(1710,1880) 1710,1785 1745,1750 v3(1815,1750)
  Bottom Layer w40: v3(1070,2000) v3(1070,980) 1070,685 1225,530 1805,530 v3(1875,600) ; H4.7 H4.8 H4.9 ; v3(1981.89,2998.11) 3296.89,2998.11 3585,2710 3585,375 3561.18,351.18 J1.2
5V: C1.1 C3.1 C4.2 D4.2 H1.2 H4.4 H4.5 H4.6 L1.2 U4.4 U5.3 | length 6121.6
  Top Layer w40: H1.2 500.35,2165.35 655,2320 v3(655,2525) ; v3(985.79,2525) U4.4 ; U4.4@988.19,2677.17 988.19,2823.19 1020,2855 1431.89,2855 ; H4.6 H4.5 H4.4 1581.89,3121.89 1540,3080 1470,3080 1431.89,3041.89 C1.1 1431.89,2855 ; v3(1968.9,2808.9) U5.3 C4.2 C3.1 1762.44,2697.44 L1.2 1431.89,2855 ; D4.2 v3(3165,1650)
  Bottom Layer w40: v3(655,2525) v3(985.79,2525) ; v3(1968.9,2808.9) 3166.1,2808.9 3350,2625 3350,2140 3165,1955 v3(3165,1650)
15V: C2.1 H1.1 H4.1 H4.2 H4.3 U2.1 U4.1 | length 2830.4
  Top Layer w40: H1.1 440.35,2265.35 555,2380 555,2716.54 ; U2.1 555,2716.54 ; C2.1 U4.1 681.54,2675 640,2716.54 555,2716.54 ; H4.1 H4.2 H4.3
  Bottom Layer w40: U2.1 1166.54,2716.54 1281.89,2831.89 H4.1
BOOT0: H6.3 R5.1 U3.44 | length 1498.1
  Top Layer w10: U3.44 1847.36,1587.36 v2(1890,1630) ; R5.1 v2(1960,1750) 2510,1750 2560,1800 H6.3
  Bottom Layer w10: v2(1890,1630) 1940,1630 1960,1650 v2(1960,1750)
CH340_RXD: D3.1 H3.11 SW4.2 U3.13 | length 3735.9
  Top Layer w10: SW4.2 500,1175 525,1150 525,1050 575,1000 H3.11 675,1000 825,850 1530,850 1768.62,1088.62 U3.13 1768.62,1198.62 1820,1250 1820,1360 v2(1850,1390) ; v2(2480,1800) 2530,1850 3090,1850 3130,1810 D3.1
  Bottom Layer w10: v2(1850,1390) 2400,1390 2480,1470 v2(2480,1800)
CH340_TXD: H3.10 U3.12 U6.3 | length 3662.8
  Top Layer w10: H3.10 700,1100 920,880 1520,880 1716.44,1076.44 v2(1716.44,1163.56) U3.12 ; v2(2580,1750) 3100,1750 3120,1730 3300,1730 3350.2,1780.2 U6.3
  Bottom Layer w10: v2(1716.44,1163.56) 1716.44,1286.44 1770,1340 2490,1340 2580,1430 v2(2580,1750)
D+: U6.5 USB1.3 | length 766
  Top Layer w10: USB1.3 3325.75,1434.25 3350,1410 3490,1410 3530,1450 3530,1750 3450.2,1829.8 U6.5
D-: U6.6 USB1.2 | length 806.1
  Top Layer w10: USB1.2 3325.51,1355.51 3350,1380 3500,1380 3560,1440 3560,1770 3500.2,1829.8 U6.6
GND: C1.2 C2.2 C3.2 C4.1 C5.2 C6.1 C7.1 C8.1 C9.1 C10.2 C12.1 C13.1 C14.1 C15.2 C16.2 C17.1 CN1.4 CN1.6 CN1.8 CN1.10 CN1.12 CN1.14 CN1.16 CN1.18 CN1.20 D1.2 D2.2 H1.4 H3.2 H4.10 H4.11 H4.12 H6.2 J1.1 JP1.2 R5.2 R10.1 SW2.1 SW4.1 SW5.1 SW6.1 U2.2 U2.3 U3.8 U3.23 U3.35 U3.47 U4.3 U4.5 U5.1 U6.1 U7.1 U7.2 U7.3 U7.4 U7.7 USB1.4 | length 4190.4
  Top Layer w10: U3.8 v2(1770.47,1270.47) v2(1788.31,1288.31) U3.47 1788.31,1611.69 v2(1770,1630) ; U3.23 1965.47,974.53 1980.32,959.68 C9.1 ; U3.35 2101.42,1388.58 2120,1370 2235.04,1370 2242.52,1377.48 C7.1
  Top Layer w25: v1(1940,720.31) 2050,720.31 2090,760.31 2090,860.31 2060,890.31 R10.1 C9.1
  Top Layer w30: SW6.1 v1(87.69,842.69) ; SW5.1 v1(87.69,1042.69) ; SW4.1 v1(87.69,1242.69) ; v1(716.53,2170.04) C2.2 v1(853.47,2170.04) ; v1(1056.89,2100.43) D1.2 ; v1(1180.63,1200.63) C16.2 ; v1(1180.63,1459.37) C15.2 ; v1(1300,1690) C13.1 ; v1(1300,1820) C12.1 ; v1(1347.69,455.74) SW2.1 ; v1(1668.11,2906.53) C1.2 v1(1668.11,3043.47) ; v1(1765,2528.38) C3.2 ; C8.1 v1(1780,1850) ; v1(1810.63,485.63) C14.1 ; C6.1 v1(1850,1850) ; v1(1862.6,2600) C4.1 ; R5.2 v1(1920,1850) ; v1(1976.8,1840) U7.4 ; v1(1976.8,1890) U7.3 ; v1(1976.8,1940) U7.2 ; v1(1976.8,1990) U7.1 ; v1(2150,2631.53) U5.1 ; v1(2181.53,1940) U7.7 ; C7.1 v1(2242.52,1449.37) ; C5.2 v1(2337.57,2698.43) ; v1(2360,1890) C17.1 ; D2.2 v1(2408.46,2443.43) ; C10.2 v1(3184.37,2049.37) ; v1(3210.83,1905.51) U6.1
  Top Layer w40: U4.3@918.86,3080.51 918.86,2675 918.86,2481.14 v1(960,2440) ; v1(1052.72,2477.28) U4.5 1140,2675 v1(1180,2635) v1(1180,2480)
  other v1: 100,200 300,200 500,200 1100,200 1200,200 1300,200 2500,200 2600,200 100,400 300,400 500,400 1100,400 1200,400 1300,400 2500,400 2600,400 2400,600 2500,600 2600,600 2200,700 2300,700 2400,700 2500,700 1870,720 2200,800 2300,800 2200,900 2300,900 3200,900 3200,1000 3300,1000 3400,1000 3500,1000 3200,1100 1150,1150 900,1200 1000,1200 1150,1250 400,1300 900,1300 1000,1300 1150,1350 100,1400 900,1400 1000,1400 1150,1450 2100,1450 2300,1450 2350,1450 400,1500 1150,1550 100,1600 1200,1600 1250,1650 400,1700 100,1800 1300,1870 400,1900 800,1900 900,1900 2700,1925 1800,1975 1900,1975 2475,1975 2575,1975 1900,2075 2025,2075 2150,2075 2350,2075 2475,2075 370,2080 480,2080 710,2100 940,2100 940,2170 1170,2170 2200,2250 2350,2250 2500,2250 2650,2250 3250,2250 3450,2250 900,2260 780,2290 1700,2300 1850,2300 2650,2400 3250,2400 3450,2400 1700,2450 1850,2450 939.43,2460.57 3250,2550 3450,2550 1180,2557.5 1052.72,2576.14 2600,2650 2800,2650 3000,2650 3200,2650 3400,2700 920,2780 1550,2800 1700,2800 1850,2800 920,2885 1800,2900 1900,2900 2200,2900 2400,2900 2600,2900 2800,2900 3000,2900 3200,2900 200,3000 400,3000 600,3000 750,3000 850,3000 950,3000 1050,3000 750,3100 850,3100 950,3100 1050,3100 1700,3100 1800,3100 1900,3100 200,3200 400,3200 600,3200 750,3200 850,3200 950,3200 1050,3200 2600,3200 2800,3200 3000,3200 3200,3200 3400,3200
I2C_SCL: H6.6 U3.43 U7.6 | length 1712.1
  Top Layer w10: U3.43 1867.05,1567.05 1940,1640 v2(2130,1640) 2690,1640 2830,1500 H6.6 ; v2(2190,1890) U7.6
  Bottom Layer w10: v2(2130,1640) 2130,1860 2160,1890 v2(2190,1890)
I2C_SDA: H6.7 U3.42 U7.5 | length 1642.9
  Top Layer w10: U3.42 1886.73,1546.73 1950,1610 v2(2170,1610) 2650,1610 2860,1400 H6.7 ; v2(2190,1840) U7.5
  Bottom Layer w10: v2(2170,1610) 2170,1820 v2(2190,1840)
NetD1_1: D1.1 L1.1 U4.2 | length 925.6
  Top Layer w40: U4.2 851.93,2403.07 905,2350 D1.1 1165,2350 1290,2225 L1.1
NetD2_1: D2.1 R11.1 | length 100
  Top Layer w30: R11.1 D2.1
NetD3_2: D3.2 U6.2 | length 95.6
  Top Layer w10: D3.2 3300.1,1810.1 3300.1,1905.41 U6.2
NetD4_1: D4.1 USB1.1 | length 115.8
  Top Layer w30: D4.1 3165,1256.34 3165.75,1257.09 USB1.1
NRST: C14.2 CN1.15 R13.1 SW2.2 U3.7 | length 1361.6
  Top Layer w10: v2(1560,1210) 1640.16,1290.16 U3.7 ; CN1.15 1656.89,521.89 SW2.2 ; v2(1660,590) SW2.2 ; R13.1 C14.2 SW2.2
  Bottom Layer w10: v2(1560,1210) 1560,640 1610,590 v2(1660,590)
OSCIN: C15.1 R14.2 U3.5 X2.2 | length 651.5
  Top Layer w10: C15.1 1370,1520 X2.2 1370,1390 1410,1350 R14.2 1590,1350 1610.47,1329.53 U3.5
OSCOUT: C16.1 R14.1 U3.6 X2.1 | length 641.2
  Top Layer w10: C16.1 1367.01,1140 1367.01,1267.01 1389.37,1289.37 R14.1 1589.37,1289.37 1609.84,1309.84 U3.6
PA0: H3.8 U3.10 | length 1489
  Top Layer w10: H3.8 740,1300 800,1240 800,1160 1030,930 1490,930 1610,1050 1610,1185.96 1655.14,1231.1 U3.10
PA1: H3.9 U3.11 | length 1425.7
  Top Layer w10: H3.9 690,1200 990,900 1500,900 1640,1040 1640,1190 1661.42,1211.42 U3.11
PA4: H3.12 SW5.2 U3.14 | length 1622.5
  Top Layer w10: SW5.2 500,975 575,900 H3.12 706.89,825 1545,825 1788.31,1068.31 U3.14
PA5: H3.13 SW6.2 U3.15 | length 1612.6
  Top Layer w10: SW6.2 500,775 525,800 H3.13 1560,800 1807.99,1047.99 U3.15
PA6: H3.14 SW3.2 U3.16 | length 1756.3
  Top Layer w10: SW3.2 400,625 475,700 H3.14 790,700 865,775 1575,775 1827.68,1027.68 U3.16
PA7: H3.15 U3.17 | length 1516.4
  Top Layer w10: H3.15 760,600 910,750 1590,750 1847.36,1007.36 U3.17
PA8: H6.16 J1.6 U3.29 | length 1887.2
  Top Layer w10: U3.29 2261.42,1270.47 H6.16 3130,500 3190,560 3190,690 3251.18,751.18 J1.6
PA9: H6.15 JP1.8 U3.30 | length 3027.8
  Top Layer w10: U3.30 2339.84,1290.16 v2(2450,1180) 3030,600 H6.15
  Bottom Layer w10: v2(2450,1180) 2760,1180 2880,1300 2880,2070 3085,2275 3085,2412.56 JP1.8
PA10: H6.14 JP1.1 U3.31 | length 2656.8
  Top Layer w10: U3.31 2410.16,1309.84 v2(2450,1270) 3020,700 H6.14
  Bottom Layer w10: v2(2450,1270) 2720,1270 2834.65,1384.65 JP1.1
PA11: H6.13 U3.32 | length 1213.9
  Top Layer w10: U3.32 2502.36,1329.53 H6.13
PA12: H6.12 U3.33 | length 1180.6
  Top Layer w10: U3.33 2530.79,1349.21 2980,900 H6.12
PA13: CN1.7 U3.34 | length 1186.2
  Top Layer w10: v2(1970,1230) 1970,1350 1988.9,1368.9 U3.34
  Bottom Layer w10: v2(1970,1230) 1970,1040 2056.89,953.11 CN1.7
PA14: CN1.9 U3.37 | length 1263.4
  Top Layer w10: v2(1940,1200) 1940,1360 1985.16,1405.16 U3.37
  Bottom Layer w10: v2(1940,1200) 1940,995 2020,915 2020,550 1956.89,486.89 CN1.9
PA15: CN1.5 H6.11 U3.38 | length 2688
  Top Layer w10: v2(1910,1260) 1910,1354.04 1965.47,1409.51 U3.38 1965.66,1460.64 1965.66,1495.64 1980.03,1510 2450,1510 2960,1000 H6.11
  Bottom Layer w10: v2(1910,1260) 2010,1260 2100,1170 2100,540 2156.89,483.11 CN1.5
PB0: H3.16 U3.18 | length 1589.4
  Top Layer w10: H3.16 720,500 945,725 1605,725 1867.05,987.05 U3.18
PB1: H3.17 U3.19 | length 1662.4
  Top Layer w10: H3.17 690,400 990,700 1620,700 1886.73,966.73 U3.19
PB2: H3.18 R10.2 U3.20 | length 2049.8
  Top Layer w10: H3.18 860,300 940,380 940,580 1035,675 1645,675 v2(1850,880) 1906.42,936.42 U3.20 ; v2(1950,830) 2019.68,830 R10.2
  Bottom Layer w10: v2(1850,880) 1900.63,829.37 1949.37,829.37 v2(1950,830)
PB3: CN1.13 H6.10 U3.39 | length 2671.9
  Top Layer w10: v2(1880,1200) 1880,1350 1945.79,1415.79 U3.39 1945.79,1505.79 1967,1527 2533,1527 2960,1100 H6.10
  Bottom Layer w10: CN1.13 1756.89,371.89 1990,605 1990,895 1880,1005 v2(1880,1200)
PB4: CN1.3 H6.9 U3.40 | length 2829
  Top Layer w10: v2(1850,1290) 1850,1344.04 1925.91,1419.95 1925.91,1460.26 U3.40 1926.1,1526.1 1950,1550 2580,1550 2930,1200 H6.9
  Bottom Layer w10: v2(1850,1290) 2050,1290 2140,1200 2140,640 2256.89,523.11 CN1.3
PB5: H6.8 U3.41 | length 1335.5
  Top Layer w10: U3.41 1906.42,1536.42 1950,1580 2605,1580 2885,1300 H6.8
PB8: H6.5 U3.45 | length 1412.1
  Top Layer w10: U3.45 1827.68,1617.68 1880,1670 2760,1670 2830,1600 H6.5
PB9: H6.4 U3.46 | length 1427.1
  Top Layer w10: U3.46 1807.99,1637.99 1870,1700 H6.4
PB10: H3.19 U3.21 | length 1995.9
  Top Layer w10: H3.19 920,200 990,270 990,570 1070,650 1670,650 1926.1,906.1 U3.21
PB11: H3.20 U3.22 | length 2098.2
  Top Layer w10: H3.20 930,100 1040,210 1040,560 1105,625 1685,625 1945.79,885.79 U3.22
PB12: H6.20 J1.7 U3.25 | length 2995.4
  Top Layer w10: U3.25 2128.27,1191.73 2710,610 2710,200 2810,100 H6.20 3460,100 3539.41,179.41 3539.41,820.59 3508.82,851.18 J1.7
PB13: H6.19 J1.3 U3.26 | length 2145.2
  Top Layer w10: U3.26 2158.58,1211.42 2780,590 2780,280 2860,200 H6.19 3160,200 3240,280 3240,370 3321.18,451.18 J1.3
PB14: H6.18 J1.5 U3.27 | length 2226.8
  Top Layer w10: U3.27 2188.9,1231.1 2840,580 2840,400 2940,300 H6.18 3120,300 3320,500 3460,500 3500,540 3500,630 3478.82,651.18 J1.5
PB15: H6.17 J1.4 U3.28 | length 1879
  Top Layer w10: U3.28 2219.21,1250.79 2880.94,589.06 2880.94,459.06 2940,400 H6.17 3150,400 3301.18,551.18 J1.4
PC13: H3.4 U3.2 | length 1653.5
  Top Layer w10: H3.4 1060,1700 1280,1920 1580,1920 1640,1860 1640,1420 1671.42,1388.58 U3.2
PC14: C12.2 H3.5 U3.3 X1.2 | length 1579.3
  Top Layer w10: H3.5 1040,1600 1210,1770 1380,1770 1400,1790 C12.2 1550,1820 1610,1760 1610,1420 1661.1,1368.9 U3.3
PC15: C13.2 H3.6 U3.4 X1.1 | length 1514.2
  Top Layer w10: H3.6 1000,1500 1240,1740 1390,1740 1400,1730 C13.2 X1.1 1550,1690 1580,1660 1580,1412.63 1643.42,1349.21 U3.4
VBAT: H3.3 R1.1 U3.1 | length 1680.2
  Top Layer w10: H3.3 1100,1800 1280,1980 1600,1980 1660,1920 1660,1770 1680,1750 R1.1 1716.44,1743.56 U3.1
VDDA: H3.7 R9.2 U3.9 | length 1569.9
  Top Layer w10: H3.7 790,1400 840,1350 840,1180 970,1050 1190,1050 1220,1020 R9.2 1500,980 1590,1070 1590,1200 1640.79,1250.79 U3.9
pads on no net: CN1.11 CN1.17 CN1.19 JP1.4 JP1.5 JP1.6 U6.7 U6.8 U6.9 U6.10 U6.11 U6.12 U6.13 U6.14 U6.15 USB1.5 USB1.6

## Polygon pours and split planes (outlines as drawn)
GND on Top Layer "NONET_L-01_P-001" (solid, remove dead copper, pour order 0): 0,3307.09 0,0 3661.42,0 3661.42,3307.09
GND on Bottom Layer "NONET_L-01_P-001" (solid, remove dead copper, pour order 1): 0,3307.09 0,0 3661.42,0 3661.42,3307.09 0,3307.09

## Keep-outs
Keep-Out Layer:
  the board outline again, w10

## Silkscreen, mask and mechanical layers (free items; w line width, h text height)
Mechanical 1:
  the board outline again, w8

## Text inside footprints (layer, text, board x,y; h text height)
JP1: Top Overlay "7" at 3194.65,2342.2 h40; Top Overlay "2" at 2734.65,2442.2 h40; Top Overlay "1" at 2744.65,2342.2 h40; Top Overlay "8" at 3194.65,2442.2 h40
U2: Top Overlay "+" at 533.07,2816.54 h80 r90